# Altium PCB STB_LightBoard.PcbDoc (part 15 of 31) (continued)
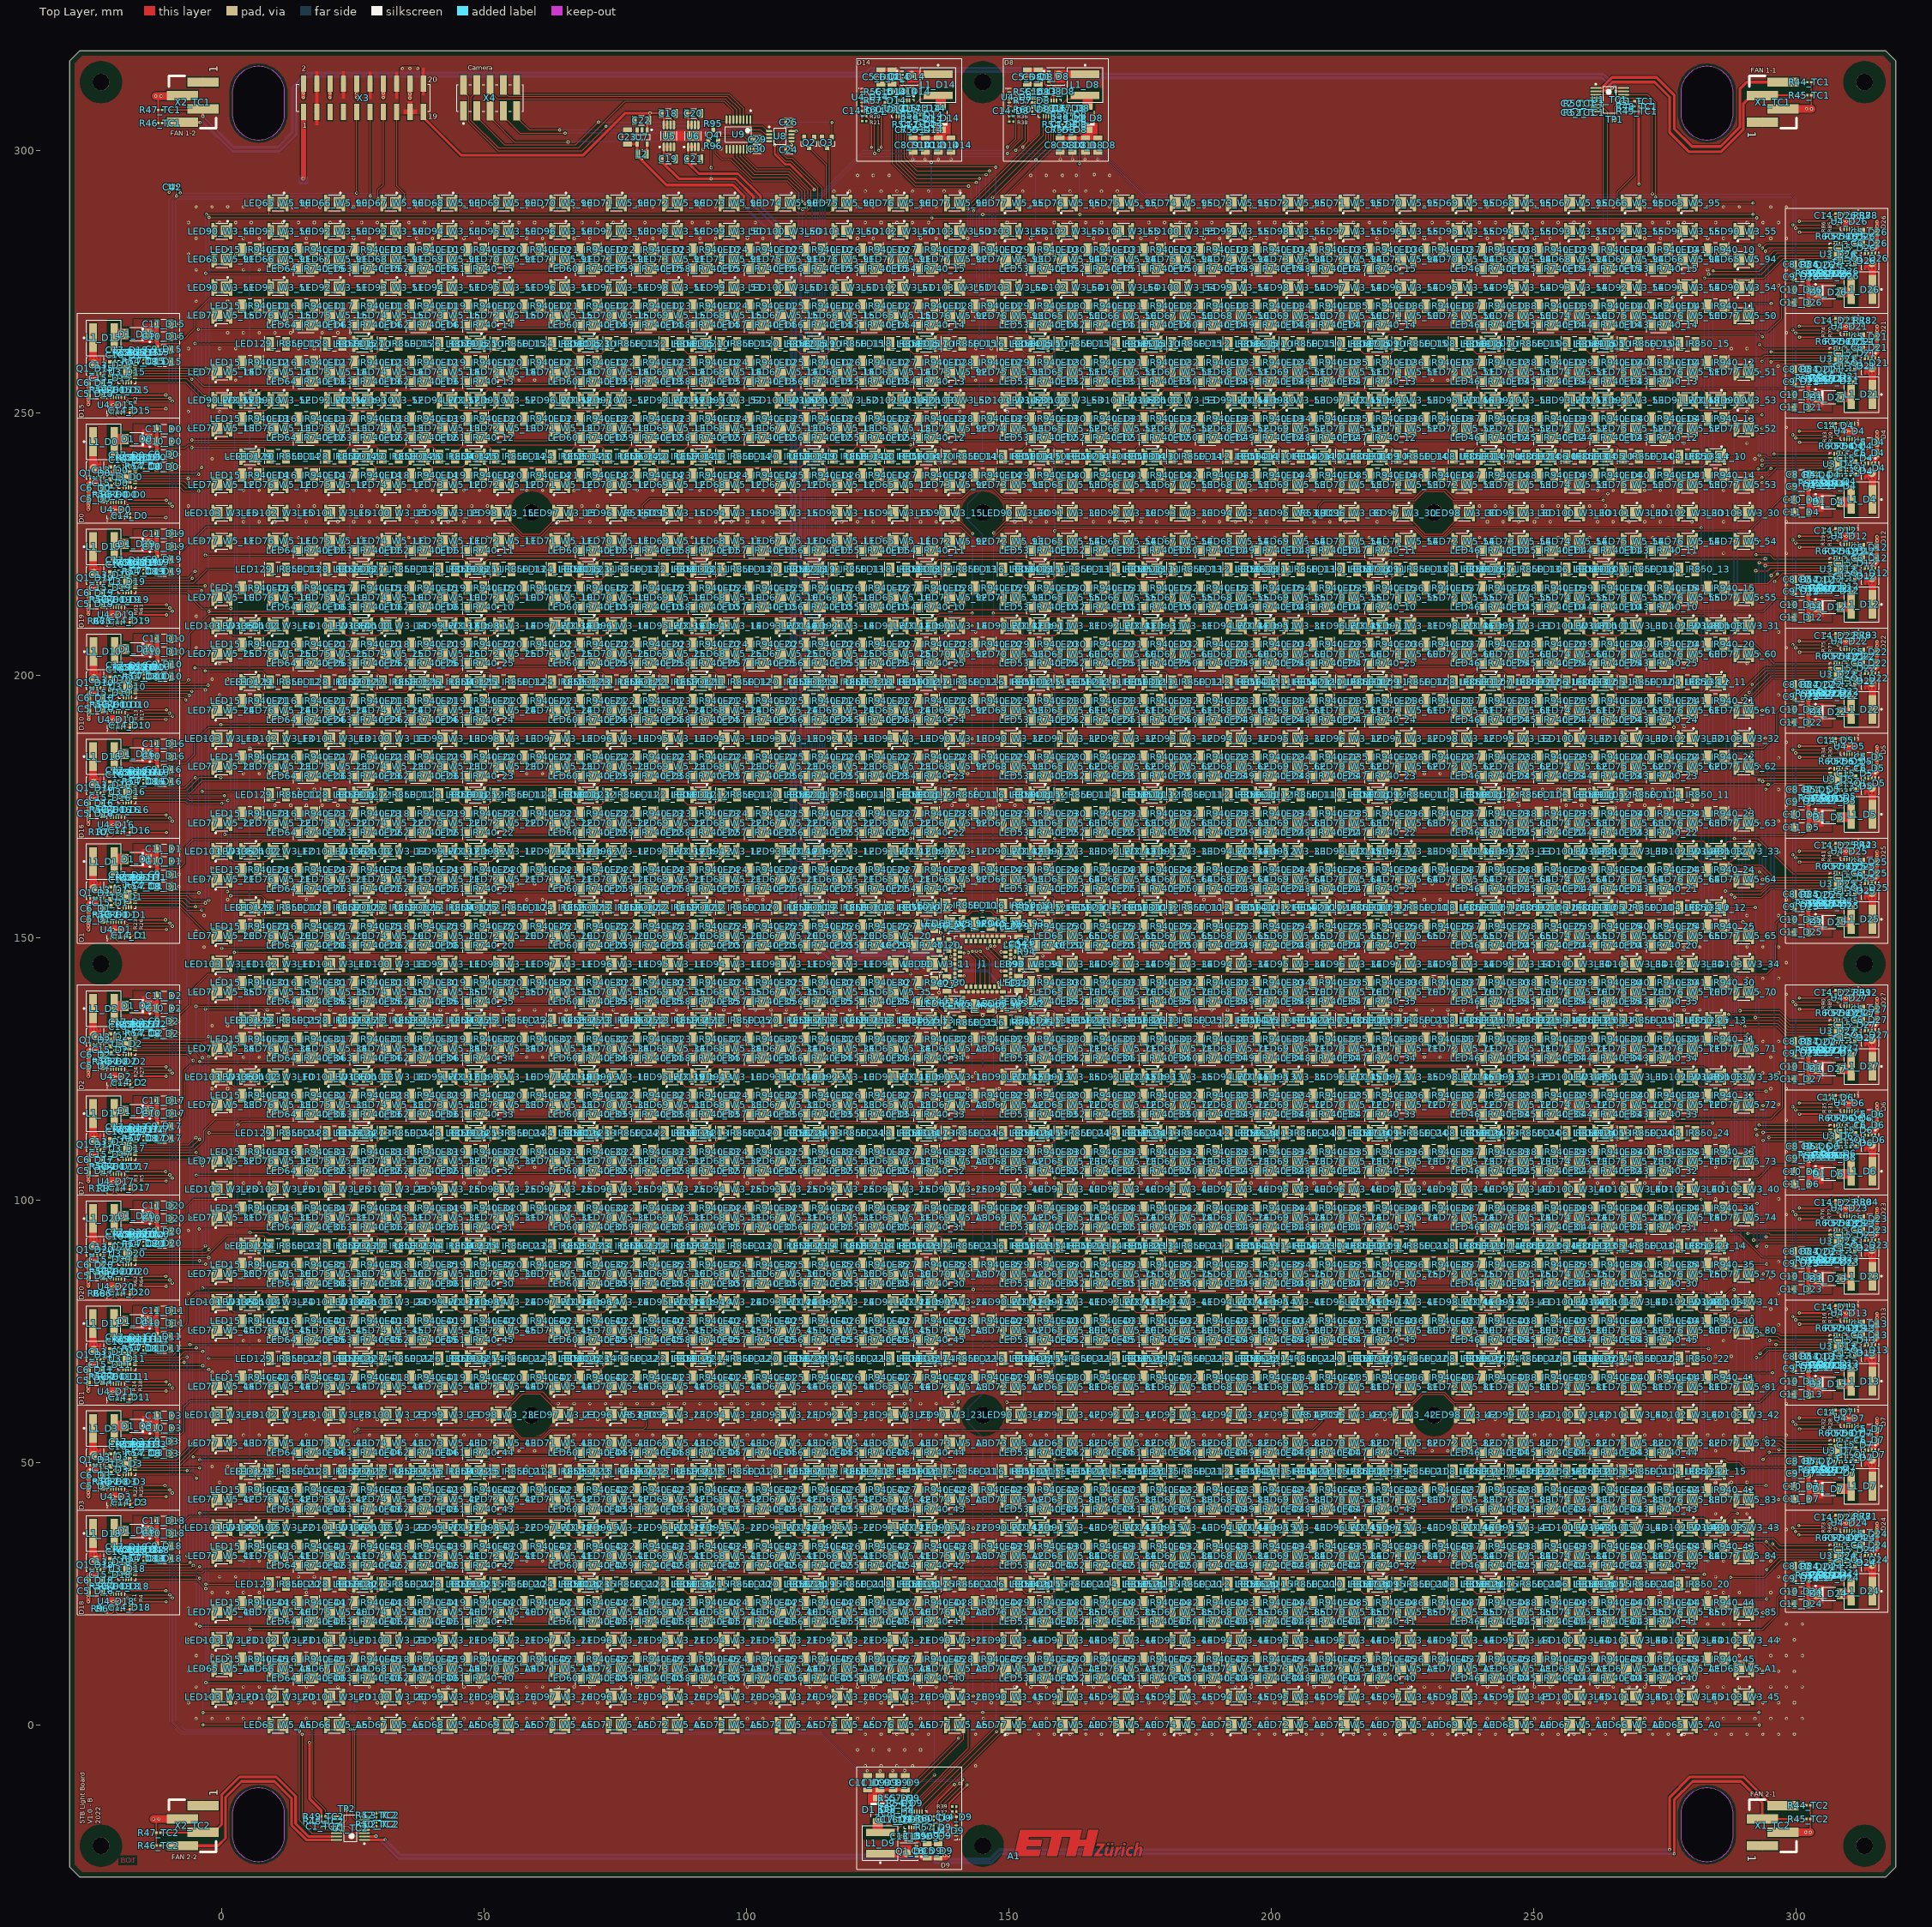
[diagram p0: Top Layer view]
## Nets (pads, with @x,y where several pads share a name; then routed paths per layer and width w, separated by ;. In a path a pad name is that pad's centre, name@x,y a point inside that pad or via, vN(x,y) a via of type N, cw(c..) or ccw(c..) an arc to the next point about the centre after c; other vN are vias at no path point) (continued)
  Bottom Layer w0.152: v1@91.8,300.3 v1(95.1,300.3)
  other v1: 138.475,-20.675 138.475,-19.575 131.65,-18 122.642,-7.76 125.642,-7.76 128.642,-7.76 131.642,-7.76 143.642,-7.76 121.142,-4.76 124.142,-4.76 127.142,-4.76 130.142,-4.76 133.142,-4.76 122.642,-1.76 125.642,-1.76 128.642,-1.76 131.642,-1.76 134.642,-1.76 143.642,-1.76 149.642,-1.76 155.642,-1.76 158.642,-1.76 161.642,-1.76 164.642,-1.76 167.642,-1.76 176.642,-1.76 179.642,-1.76 182.642,-1.76 185.642,-1.76 188.642,-1.76 197.642,-1.76 200.642,-1.76 203.642,-1.76 206.642,-1.76 209.642,-1.76 215.642,-1.76 218.642,-1.76 221.642,-1.76 224.642,-1.76 230.642,-1.76 233.642,-1.76 236.642,-1.76 239.642,-1.76 242.642,-1.76 251.642,-1.76 254.642,-1.76 257.642,-1.76 260.642,-1.76 263.642,-1.76 272.642,-1.76 275.642,-1.76 278.642,-1.76 284.642,-1.76 287.642,-1.76 290.642,-1.76 293.642,-1.76 296.642,-1.76 299.642,-1.76 -4.858,1.24 -1.858,1.24 1.142,1.24 4.142,1.24 7.142,1.24 16.142,1.24 28.142,1.24 37.142,1.24 40.142,1.24 46.142,1.24 49.142,1.24 58.142,1.24 61.142,1.24 67.142,1.24 70.142,1.24 79.142,1.24 82.142,1.24 91.142,1.24 94.142,1.24 100.142,1.24 103.142,1.24 112.142,1.24 115.142,1.24 121.142,1.24 124.142,1.24 133.142,1.24 145.142,1.24 154.142,1.24 157.142,1.24 166.142,1.24 169.142,1.24 175.142,1.24 178.142,1.24 187.142,1.24 190.142,1.24 196.142,1.24 199.142,1.24 208.142,1.24 211.142,1.24 220.142,1.24 229.142,1.24 232.142,1.24 241.142,1.24 244.142,1.24 250.142,1.24 253.142,1.24 262.142,1.24 265.142,1.24 271.142,1.24 274.142,1.24 283.142,1.24 286.142,1.24 289.142,1.24 292.142,1.24 295.142,1.24 298.142,1.24 301.142,1.24 -6.358,4.24 2.642,4.24 5.642,4.24 14.642,4.24 17.642,4.24 29.642,4.24 35.642,4.24 38.642,4.24 47.642,4.24 50.642,4.24 56.642,4.24 59.642,4.24 68.642,4.24 71.642,4.24 80.642,4.24 89.642,4.24 92.642,4.24 101.642,4.24 104.642,4.24 110.642,4.24 113.642,4.24 122.642,4.24 125.642,4.24 131.642,4.24 134.642,4.24 143.642,4.24 146.642,4.24 155.642,4.24 158.642,4.24 164.642,4.24 167.642,4.24 176.642,4.24 179.642,4.24 185.642,4.24 188.642,4.24 197.642,4.24 200.642,4.24 206.642,4.24 209.642,4.24 218.642,4.24 221.642,4.24 230.642,4.24 233.642,4.24 239.642,4.24 242.642,4.24 251.642,4.24 254.642,4.24 260.642,4.24 263.642,4.24 272.642,4.24 275.642,4.24 284.642,4.24 293.642,4.24 296.642,4.24 299.642,4.24 -4.858,7.24 4.142,7.24 7.142,7.24 10.142,7.24 16.142,7.24 22.142,7.24 28.142,7.24 37.142,7.24 40.142,7.24 43.142,7.24 46.142,7.24 49.142,7.24 58.142,7.24 61.142,7.24 64.142,7.24 67.142,7.24 70.142,7.24 76.142,7.24 79.142,7.24 82.142,7.24 85.142,7.24 91.142,7.24 94.142,7.24 97.142,7.24 100.142,7.24 103.142,7.24 112.142,7.24 115.142,7.24 118.142,7.24 121.142,7.24 124.142,7.24 133.142,7.24 136.142,7.24 139.142,7.24 151.142,7.24 154.142,7.24 157.142,7.24 160.142,7.24 166.142,7.24 169.142,7.24 172.142,7.24 175.142,7.24 178.142,7.24 187.142,7.24 190.142,7.24 193.142,7.24 196.142,7.24 199.142,7.24 208.142,7.24 211.142,7.24 214.142,7.24 220.142,7.24 226.142,7.24 229.142,7.24 232.142,7.24 241.142,7.24 244.142,7.24 247.142,7.24 250.142,7.24 253.142,7.24 262.142,7.24 265.142,7.24 268.142,7.24 271.142,7.24 274.142,7.24 280.142,7.24 283.142,7.24 286.142,7.24 289.142,7.24 295.142,7.24 298.142,7.24 301.142,7.24 -6.358,10.24 293.642,10.24 296.642,10.24 299.642,10.24 -4.858,13.24 -1.858,13.24 1.142,13.24 16.142,13.24 91.142,13.24 220.142,13.24 274.142,13.24 289.142,13.24 295.142,13.24 298.142,13.24 301.142,13.24 -6.358,16.24 296.642,16.24 299.642,16.24 -4.858,19.24 280.142,19.24 283.142,19.24 286.142,19.24 289.142,19.24 298.142,19.24 301.142,19.24 -6.358,22.24 2.642,22.24 29.642,22.24 155.642,22.24 206.642,22.24 233.642,22.24 284.642,22.24 -20.675,23.525 -19.575,23.525 -1.858,25.24 1.142,25.24 4.142,25.24 7.142,25.24 16.142,25.24 274.142,25.24 283.142,25.24 286.142,25.24 289.142,25.24 295.142,25.24 301.142,25.24 298.685,25.446 298.685,27.989 -0.358,28.24 2.642,28.24 14.642,28.24 17.642,28.24 284.642,28.24 296.642,28.24 298.685,30.293 -18,30.35 4.142,31.24 7.142,31.24 58.142,31.24 61.142,31.24 67.142,31.24 94.142,31.24 142.142,31.24 229.142,31.24 232.142,31.24 271.142,31.24 283.142,31.24 286.142,31.24 295.142,31.24 308,31.65 -0.358,34.24 2.642,34.24 155.642,34.24 287.642,34.24 290.642,34.24 298.142,37.24 309.575,38.475 310.675,38.475 278.642,40.24 284.642,40.24 290.642,40.24 -20.675,43.525 -19.575,43.525 298.685,45.446 -0.358,46.24 155.642,46.24 284.642,46.24 287.642,46.24 290.642,46.24 298.685,47.989 -1.858,49.24 1.142,49.24 16.142,49.24 40.142,49.24 43.142,49.24 58.142,49.24 61.142,49.24 100.142,49.24 103.142,49.24 118.142,49.24 274.142,49.24 298.685,50.293 -18,50.35 308,51.65 56.642,52.24 59.642,52.24 206.642,52.24 230.642,52.24 233.642,52.24 284.642,52.24 4.142,55.24 7.142,55.24 16.142,55.24 28.142,55.24 37.142,55.24 40.142,55.24 46.142,55.24 49.142,55.24 67.142,55.24 70.142,55.24 79.142,55.24 82.142,55.24 91.142,55.24 94.142,55.24 100.142,55.24 103.142,55.24 112.142,55.24 115.142,55.24 121.142,55.24 124.142,55.24 133.142,55.24 136.142,55.24 154.142,55.24 157.142,55.24 166.142,55.24 169.142,55.24 175.142,55.24 178.142,55.24 187.142,55.24 190.142,55.24 196.142,55.24 199.142,55.24 208.142,55.24 211.142,55.24 220.142,55.24 241.142,55.24 244.142,55.24 250.142,55.24 253.142,55.24 262.142,55.24 265.142,55.24 271.142,55.24 274.142,55.24 283.142,55.24 286.142,55.24 298.142,55.24 14.642,58.24 17.642,58.24 26.642,58.24 29.642,58.24 35.642,58.24 38.642,58.24 47.642,58.24 50.642,58.24 68.642,58.24 71.642,58.24 89.642,58.24 92.642,58.24 101.642,58.24 104.642,58.24 110.642,58.24 113.642,58.24 122.642,58.24 125.642,58.24 134.642,58.24 155.642,58.24 164.642,58.24 167.642,58.24 176.642,58.24 179.642,58.24 185.642,58.24 188.642,58.24 197.642,58.24 200.642,58.24 206.642,58.24 218.642,58.24 221.642,58.24 239.642,58.24 242.642,58.24 251.642,58.24 254.642,58.24 260.642,58.24 263.642,58.24 272.642,58.24 275.642,58.24 284.642,58.24 309.575,58.475 310.675,58.475 64.142,61.24 67.142,61.24 70.142,61.24 73.142,61.24 76.142,61.24 79.142,61.24 82.142,61.24 85.142,61.24 88.142,61.24 91.142,61.24 94.142,61.24 97.142,61.24 100.142,61.24 103.142,61.24 106.142,61.24 109.142,61.24 112.142,61.24 115.142,61.24 118.142,61.24 121.142,61.24 124.142,61.24 127.142,61.24 130.142,61.24 133.142,61.24 136.142,61.24 139.142,61.24 298.142,61.24 -20.717,63.525 -19.617,63.525 134.642,64.24 155.642,64.24 298.685,65.446 -1.858,67.24 1.142,67.24 16.142,67.24 274.142,67.24 298.685,67.989 284.642,70.24 287.642,70.24 298.685,70.293 -18.042,70.35 308,71.65 -8.152,72.322 4.142,73.24 7.142,73.24 10.142,73.24 13.142,73.24 280.142,73.24 286.142,73.24 29.642,76.24 155.642,76.24 158.642,76.24 206.642,76.24 233.642,76.24 296.642,76.24 309.575,78.475 310.675,78.475 142.142,79.24 295.142,79.24 298.142,79.24 -6.358,82.24 155.642,82.24 176.642,82.24 263.642,82.24 284.642,82.24 296.642,82.24 -20.675,83.525 -19.575,83.525 4.142,85.24 7.142,85.24 58.142,85.24 61.142,85.24 67.142,85.24 94.142,85.24 229.142,85.24 232.142,85.24 271.142,85.24 286.142,85.24 295.142,85.24 298.685,85.446 298.685,87.989 -0.358,88.24 155.642,88.24 284.642,88.24 296.642,88.24 298.685,90.293 -18,90.35 1.142,91.24 308,91.65 -6.358,94.24 278.642,94.24 284.642,94.24 271.142,97.24 298.142,97.24 309.575,98.475 310.675,98.475 284.642,100.24 296.642,100.24 4.142,103.24 7.142,103.24 16.142,103.24 25.142,103.24 28.142,103.24 37.142,103.24 40.142,103.24 46.142,103.24 49.142,103.24 58.142,103.24 61.142,103.24 67.142,103.24 70.142,103.24 79.142,103.24 82.142,103.24 91.142,103.24 94.142,103.24 100.142,103.24 103.142,103.24 112.142,103.24 115.142,103.24 121.142,103.24 124.142,103.24 133.142,103.24 136.142,103.24 142.142,103.24 154.142,103.24 157.142,103.24 166.142,103.24 169.142,103.24 175.142,103.24 178.142,103.24 187.142,103.24 190.142,103.24 196.142,103.24 199.142,103.24 208.142,103.24 211.142,103.24 220.142,103.24 229.142,103.24 232.142,103.24 241.142,103.24 244.142,103.24 250.142,103.24 253.142,103.24 262.142,103.24 265.142,103.24 271.142,103.24 274.142,103.24 286.142,103.24 -20.675,103.525 -19.575,103.525 298.685,105.446 56.642,106.24 59.642,106.24 143.642,106.24 146.642,106.24 206.642,106.24 230.642,106.24 233.642,106.24 284.642,106.24 298.685,107.989 16.142,109.24 274.142,109.24 298.142,109.24 298.685,110.293 -18,110.35 308,111.65 284.642,112.24 298.142,115.24 134.642,118.24 155.642,118.24 296.642,118.24 309.575,118.475 310.675,118.475 -1.858,121.24 1.142,121.24 142.142,121.24 148.142,121.24 295.142,121.24 298.142,121.24 -20.675,123.525 -19.575,123.525 143.642,124.24 293.642,124.24 296.642,124.24 298.685,125.446 4.142,127.24 7.142,127.24 10.142,127.24 22.142,127.24 43.142,127.24 58.142,127.24 61.142,127.24 64.142,127.24 67.142,127.24 85.142,127.24 94.142,127.24 97.142,127.24 118.142,127.24 139.142,127.24 142.142,127.24 151.142,127.24 172.142,127.24 193.142,127.24 214.142,127.24 226.142,127.24 229.142,127.24 232.142,127.24 247.142,127.24 268.142,127.24 271.142,127.24 280.142,127.24 295.142,127.24 298.685,127.989 29.642,130.24 155.642,130.24 206.642,130.24 233.642,130.24 293.642,130.24 296.642,130.24 298.685,130.293 -18,130.35 308,131.65 -1.858,133.24 1.142,133.24 16.142,133.24 40.142,133.24 43.142,133.24 58.142,133.24 61.142,133.24 100.142,133.24 103.142,133.24 118.142,133.24 169.142,133.24 172.142,133.24 187.142,133.24 190.142,133.24 193.142,133.24 196.142,133.24 229.142,133.24 232.142,133.24 244.142,133.24 247.142,133.24 274.142,133.24 8.642,136.24 11.642,136.24 14.642,136.24 17.642,136.24 20.642,136.24 32.642,136.24 41.642,136.24 44.642,136.24 53.642,136.24 56.642,136.24 59.642,136.24 62.642,136.24 65.642,136.24 74.642,136.24 86.642,136.24 95.642,136.24 98.642,136.24 101.642,136.24 104.642,136.24 107.642,136.24 116.642,136.24 119.642,136.24 128.642,136.24 161.642,136.24 170.642,136.24 173.642,136.24 182.642,136.24 185.642,136.24 188.642,136.24 191.642,136.24 194.642,136.24 203.642,136.24 215.642,136.24 224.642,136.24 227.642,136.24 230.642,136.24 233.642,136.24 236.642,136.24 245.642,136.24 248.642,136.24 257.642,136.24 266.642,136.24 269.642,136.24 272.642,136.24 275.642,136.24 278.642,136.24 281.642,136.24 145.016,137.229 309.575,138.475 310.675,138.475 -4.858,139.24 295.142,139.24 298.142,139.24 136.68,139.514 -0.358,142.24 155.642,142.24 209.642,142.24 230.642,142.24 290.642,142.24 293.642,142.24 296.642,142.24 133.756,144.337 298.142,145.24 156.458,146.526 -3.358,148.24 278.642,148.24 281.642,148.24 290.642,148.24 293.642,148.24 296.642,148.24 -4.858,151.24 94.142,151.24 -20.675,151.525 -19.575,151.525 155.728,152.561 134.239,153.125 298.685,153.446 -3.358,154.24 290.642,154.24 296.642,154.24 298.685,155.989 1.142,157.24 16.142,157.24 43.142,157.24 58.142,157.24 61.142,157.24 100.142,157.24 103.142,157.24 118.142,157.24 172.142,157.24 187.142,157.24 190.142,157.24 193.142,157.24 229.142,157.24 232.142,157.24 247.142,157.24 274.142,157.24 298.142,157.24 298.685,158.293 -18,158.35 308,159.65 56.642,160.24 59.642,160.24 143.642,160.24 206.642,160.24 230.642,160.24 233.642,160.24 -1.858,163.24 296.642,166.24 309.575,166.475 310.675,166.475 -20.675,171.525 -19.575,171.525 155.642,172.24 296.642,172.24 298.685,173.446 10.142,175.24 13.142,175.24 16.142,175.24 19.142,175.24 22.142,175.24 139.142,175.24 142.142,175.24 148.142,175.24 151.142,175.24 247.142,175.24 256.142,175.24 259.142,175.24 268.142,175.24 271.142,175.24 274.142,175.24 280.142,175.24 298.142,175.24 298.685,175.989 14.642,178.24 17.642,178.24 143.642,178.24 251.642,178.24 254.642,178.24 257.642,178.24 260.642,178.24 272.642,178.24 275.642,178.24 296.642,178.24 298.685,178.293 -18,178.35 308,179.65 4.142,181.24 7.142,181.24 58.142,181.24 61.142,181.24 67.142,181.24 94.142,181.24 142.142,181.24 229.142,181.24 232.142,181.24 271.142,181.24 11.642,184.24 20.642,184.24 29.642,184.24 32.642,184.24 53.642,184.24 74.642,184.24 86.642,184.24 107.642,184.24 128.642,184.24 149.642,184.24 155.642,184.24 161.642,184.24 182.642,184.24 203.642,184.24 206.642,184.24 215.642,184.24 224.642,184.24 233.642,184.24 236.642,184.24 257.642,184.24 278.642,184.24 296.642,184.24 309.575,186.475 310.675,186.475 4.142,187.24 7.142,187.24 142.142,187.24 298.142,187.24 278.642,190.24 -20.617,191.525 -19.517,191.525 133.142,193.24 136.142,193.24 154.142,193.24 157.142,193.24 298.685,193.446 298.685,195.989 -0.358,196.24 155.642,196.24 296.642,196.24 298.685,198.293 -17.942,198.35 -1.858,199.24 1.142,199.24 40.142,199.24 43.142,199.24 118.142,199.24 169.142,199.24 172.142,199.24 193.142,199.24 196.142,199.24 244.142,199.24 247.142,199.24 308,199.65 -0.358,202.24 11.642,202.24 278.642,202.24 290.642,202.24 -4.858,205.24 94.142,205.24 142.142,205.24 271.142,205.24 298.142,205.24 309.575,206.475 310.675,206.475 143.642,208.24 296.642,208.24 -4.858,211.24 -20.675,211.525 -19.575,211.525 298.685,213.446 298.685,215.989 -1.858,217.24 1.142,217.24 16.142,217.24 298.142,217.24 298.685,218.293 -18,218.35 308,219.65 277.142,223.24 280.142,223.24 286.142,223.24 298.142,223.24 14.642,226.24 17.642,226.24 26.642,226.24 29.642,226.24 35.642,226.24 38.642,226.24 47.642,226.24 50.642,226.24 68.642,226.24 71.642,226.24 80.642,226.24 89.642,226.24 92.642,226.24 101.642,226.24 104.642,226.24 122.642,226.24 125.642,226.24 134.642,226.24 155.642,226.24 164.642,226.24 167.642,226.24 176.642,226.24 179.642,226.24 185.642,226.24 188.642,226.24 197.642,226.24 200.642,226.24 206.642,226.24 209.642,226.24 218.642,226.24 221.642,226.24 239.642,226.24 242.642,226.24 251.642,226.24 254.642,226.24 260.642,226.24 263.642,226.24 272.642,226.24 275.642,226.24 309.575,226.475 310.675,226.475 4.142,229.24 7.142,229.24 10.142,229.24 16.142,229.24 22.142,229.24 25.142,229.24 28.142,229.24 37.142,229.24 40.142,229.24 43.142,229.24 46.142,229.24 49.142,229.24 64.142,229.24 70.142,229.24 85.142,229.24 91.142,229.24 94.142,229.24 97.142,229.24 100.142,229.24 103.142,229.24 118.142,229.24 121.142,229.24 124.142,229.24 133.142,229.24 136.142,229.24 139.142,229.24 151.142,229.24 154.142,229.24 157.142,229.24 166.142,229.24 169.142,229.24 172.142,229.24 175.142,229.24 178.142,229.24 187.142,229.24 190.142,229.24 193.142,229.24 196.142,229.24 199.142,229.24 208.142,229.24 211.142,229.24 214.142,229.24 220.142,229.24 241.142,229.24 244.142,229.24 247.142,229.24 250.142,229.24 253.142,229.24 262.142,229.24 265.142,229.24 268.142,229.24 271.142,229.24 274.142,229.24 280.142,229.24 286.142,229.24 298.142,229.24 -20.675,231.525 -19.575,231.525 -6.358,232.24 14.642,232.24 17.642,232.24 26.642,232.24 29.642,232.24 35.642,232.24 38.642,232.24 47.642,232.24 50.642,232.24 68.642,232.24 71.642,232.24 239.642,232.24 242.642,232.24 251.642,232.24 254.642,232.24 260.642,232.24 263.642,232.24 272.642,232.24 275.642,232.24 298.685,233.446 4.142,235.24 7.142,235.24 16.142,235.24 25.142,235.24 28.142,235.24 37.142,235.24 40.142,235.24 46.142,235.24 49.142,235.24 58.142,235.24 61.142,235.24 67.142,235.24 70.142,235.24 79.142,235.24 82.142,235.24 91.142,235.24 94.142,235.24 100.142,235.24 103.142,235.24 121.142,235.24 124.142,235.24 133.142,235.24 136.142,235.24 154.142,235.24 157.142,235.24 166.142,235.24 169.142,235.24 175.142,235.24 178.142,235.24 187.142,235.24 190.142,235.24 196.142,235.24 199.142,235.24 208.142,235.24 211.142,235.24 220.142,235.24 262.142,235.24 265.142,235.24 271.142,235.24 274.142,235.24 286.142,235.24 298.685,235.989 -0.358,238.24 155.642,238.24 298.685,238.293 -18,238.35 308,239.65 -1.858,241.24 1.142,241.24 169.142,241.24 172.142,241.24 193.142,241.24 196.142,241.24 244.142,241.24 247.142,241.24 292.142,241.24 278.642,244.24 290.642,244.24 309.575,246.475 310.675,246.475 298.142,247.24 -6.358,250.24 -0.358,250.24 140.642,250.24 149.642,250.24 290.642,250.24 -20.675,251.525 -19.575,251.525 298.685,253.446 298.685,255.989 2.642,256.24 56.642,256.24 59.642,256.24 143.642,256.24 146.642,256.24 206.642,256.24 230.642,256.24 233.642,256.24 298.685,258.293 -18,258.35 16.142,259.24 94.142,259.24 142.142,259.24 271.142,259.24 274.142,259.24 308,259.65 -6.358,262.24 -0.358,262.24 2.642,262.24 14.642,262.24 17.642,262.24 143.642,262.24 146.642,262.24 272.642,262.24 275.642,262.24 287.642,262.24 290.642,262.24 1.142,265.24 4.142,265.24 7.142,265.24 10.142,265.24 13.142,265.24 19.142,265.24 22.142,265.24 298.142,265.24 309.575,266.475 310.675,266.475 -6.358,268.24 134.642,268.24 143.642,268.24 146.642,268.24 155.642,268.24 -4.858,271.24 1.142,271.24 298.685,273.446 -6.358,274.24 143.642,274.24 146.642,274.24 296.642,274.24 298.685,275.989 -4.858,277.24 4.142,277.24 7.142,277.24 10.142,277.24 13.142,277.24 280.142,277.24 283.142,277.24 298.142,277.24 298.685,278.293 308,279.65 -6.358,280.24 2.642,280.24 26.642,280.24 29.642,280.24 80.642,280.24 155.642,280.24 158.642,280.24 206.642,280.24 209.642,280.24 230.642,280.24 233.642,280.24 284.642,280.24 -4.858,283.24 4.142,283.24 7.142,283.24 16.142,283.24 25.142,283.24 28.142,283.24 37.142,283.24 40.142,283.24 46.142,283.24 49.142,283.24 58.142,283.24 61.142,283.24 67.142,283.24 70.142,283.24 79.142,283.24 82.142,283.24 91.142,283.24 94.142,283.24 100.142,283.24 103.142,283.24 121.142,283.24 124.142,283.24 133.142,283.24 136.142,283.24 142.142,283.24 154.142,283.24 157.142,283.24 166.142,283.24 169.142,283.24 175.142,283.24 178.142,283.24 187.142,283.24 190.142,283.24 196.142,283.24 199.142,283.24 208.142,283.24 211.142,283.24 220.142,283.24 229.142,283.24 232.142,283.24 241.142,283.24 244.142,283.24 250.142,283.24 253.142,283.24 262.142,283.24 265.142,283.24 271.142,283.24 274.142,283.24 283.142,283.24 286.142,283.24 295.142,283.24 298.142,283.24 -6.358,286.24 -0.358,286.24 2.642,286.24 5.642,286.24 11.642,286.24 14.642,286.24 17.642,286.24 20.642,286.24 26.642,286.24 29.642,286.24 32.642,286.24 35.642,286.24 38.642,286.24 47.642,286.24 50.642,286.24 53.642,286.24 56.642,286.24 59.642,286.24 68.642,286.24 71.642,286.24 74.642,286.24 80.642,286.24 86.642,286.24 89.642,286.24 92.642,286.24 101.642,286.24 122.642,286.24 125.642,286.24 128.642,286.24 131.642,286.24 134.642,286.24 149.642,286.24 158.642,286.24 161.642,286.24 164.642,286.24 167.642,286.24 176.642,286.24 179.642,286.24 182.642,286.24 185.642,286.24 188.642,286.24 197.642,286.24 200.642,286.24 203.642,286.24 206.642,286.24 209.642,286.24 215.642,286.24 218.642,286.24 221.642,286.24 224.642,286.24 230.642,286.24 233.642,286.24 236.642,286.24 239.642,286.24 242.642,286.24 251.642,286.24 254.642,286.24 257.642,286.24 260.642,286.24 272.642,286.24 275.642,286.24 278.642,286.24 284.642,286.24 290.642,286.24 293.642,286.24 296.642,286.24 309.575,286.475 310.675,286.475 13.5,289.1 18.7,289.2 -4.858,289.24 -1.858,289.24 1.142,289.24 4.142,289.24 7.142,289.24 16.142,289.24 25.142,289.24 28.142,289.24 37.142,289.24 40.142,289.24 46.142,289.24 49.142,289.24 58.142,289.24 61.142,289.24 67.142,289.24 70.142,289.24 79.142,289.24 82.142,289.24 91.142,289.24 94.142,289.24 121.142,289.24 124.142,289.24 133.142,289.24 136.142,289.24 154.142,289.24 157.142,289.24 166.142,289.24 169.142,289.24 175.142,289.24 178.142,289.24 187.142,289.24 190.142,289.24 196.142,289.24 199.142,289.24 208.142,289.24 211.142,289.24 220.142,289.24 229.142,289.24 232.142,289.24 241.142,289.24 244.142,289.24 250.142,289.24 253.142,289.24 262.142,289.24 265.142,289.24 271.142,289.24 274.142,289.24 283.142,289.24 286.142,289.24 289.142,289.24 295.142,289.24 298.142,289.24 116.642,292.24 119.642,292.24 122.642,292.24 125.642,292.24 128.642,292.24 131.642,292.24 134.642,292.24 137.642,292.24 140.642,292.24 152.642,292.24 158.642,292.24 161.642,292.24 164.642,292.24 167.642,292.24 170.642,292.24 121.142,295.24 124.142,295.24 127.142,295.24 154.142,295.24 157.142,295.24 160.142,295.24 162.846,295.24 169.142,295.24 166.293,295.391 91.7,300.2 130.35,308 158.35,308 123.525,309.575 151.525,309.575 123.525,310.675 151.525,310.675
GPIO3: R49_TC1.1 U1_TC1.9 X3.15 | length 275.6
  Top Layer w0.2: X3.15@33.35,307.3 33.35,307.198 33.35,293.25 34.8,291.8 v1(34.8,290.7) ; v1(265.964,290.592) 265.964,292.064 269.222,295.322 R49_TC1.1@269.222,307.42 269.215,307.426 267.122,307.426 U1_TC1.9@267.115,307.433
  Bottom Layer w0.2: v1(34.8,290.7) 110.167,290.7 110.32,290.853 113.754,290.853 113.871,290.736 114.036,290.736 122.146,298.846 130.661,298.846 130.685,298.87 142.101,298.87 142.107,298.863 154.916,298.863 154.923,298.87 167.732,298.87 176.01,290.592 v1(265.964,290.592)
GPIO4: R49_TC2.1 U1_TC2.9 X3.13 | length 392.1
  Top Layer w0.2: v1(17.282,-0.555) 17.302,-0.576 17.302,-13.725 19.778,-16.201 R49_TC2.1@19.778,-17.42 19.785,-17.427 21.878,-17.427 U1_TC2.9@21.885,-17.433 ; v1(29.765,290.756) 29.765,292.465 30.81,293.51 X3.13@30.81,307.3
  Bottom Layer w0.2: v1(17.282,-0.555) 17.279,-0.558 14.342,-0.558 14,-0.9 -7.1,-0.9 -8.693,0.693 -8.693,31.466 -8.747,31.519 -8.747,267.139 -8.693,267.192 -8.693,290.407 -8.354,290.746 29.754,290.746 v1(29.765,290.756)
I2C_CAM_SCL: J1.21 U8.7 | length 192.8
  Top Layer w0.2: U8.7@108.55,303.05 107.215,303.05 106.023,301.858 106.023,299.344 107.367,298 108.471,298 113.6,292.871 113.6,290.223 v1(113.604,290.219) ; v1(145.9,148) 148.45,145.45 J1.21@149.31,145.45
  Bottom Layer w0.2: v1(113.604,290.219) 113.6,290.215 113.6,155.834 119.583,149.851 144.049,149.851 v1(145.9,148)
I2C_CAM_SDA: J1.22 U8.6 | length 191.5
  Top Layer w0.2: U8.6@108.55,302.4 107.223,302.4 106.375,301.552 106.375,299.72 107.588,298.507 108.693,298.507 114.4,292.8 114.4,290.299 v1(114.388,290.287) ; v1(146.525,148.433) 146.525,148.375 148.55,146.35 J1.22@149.31,146.35
  Bottom Layer w0.2: v1(114.388,290.287) 114.388,290.177 114.021,289.811 114.021,156.094 119.786,150.33 144.628,150.33 v1(146.525,148.433)